# Altium PCB Stabilizer_Pounder.PcbDoc (part 2 of 2) (continued)
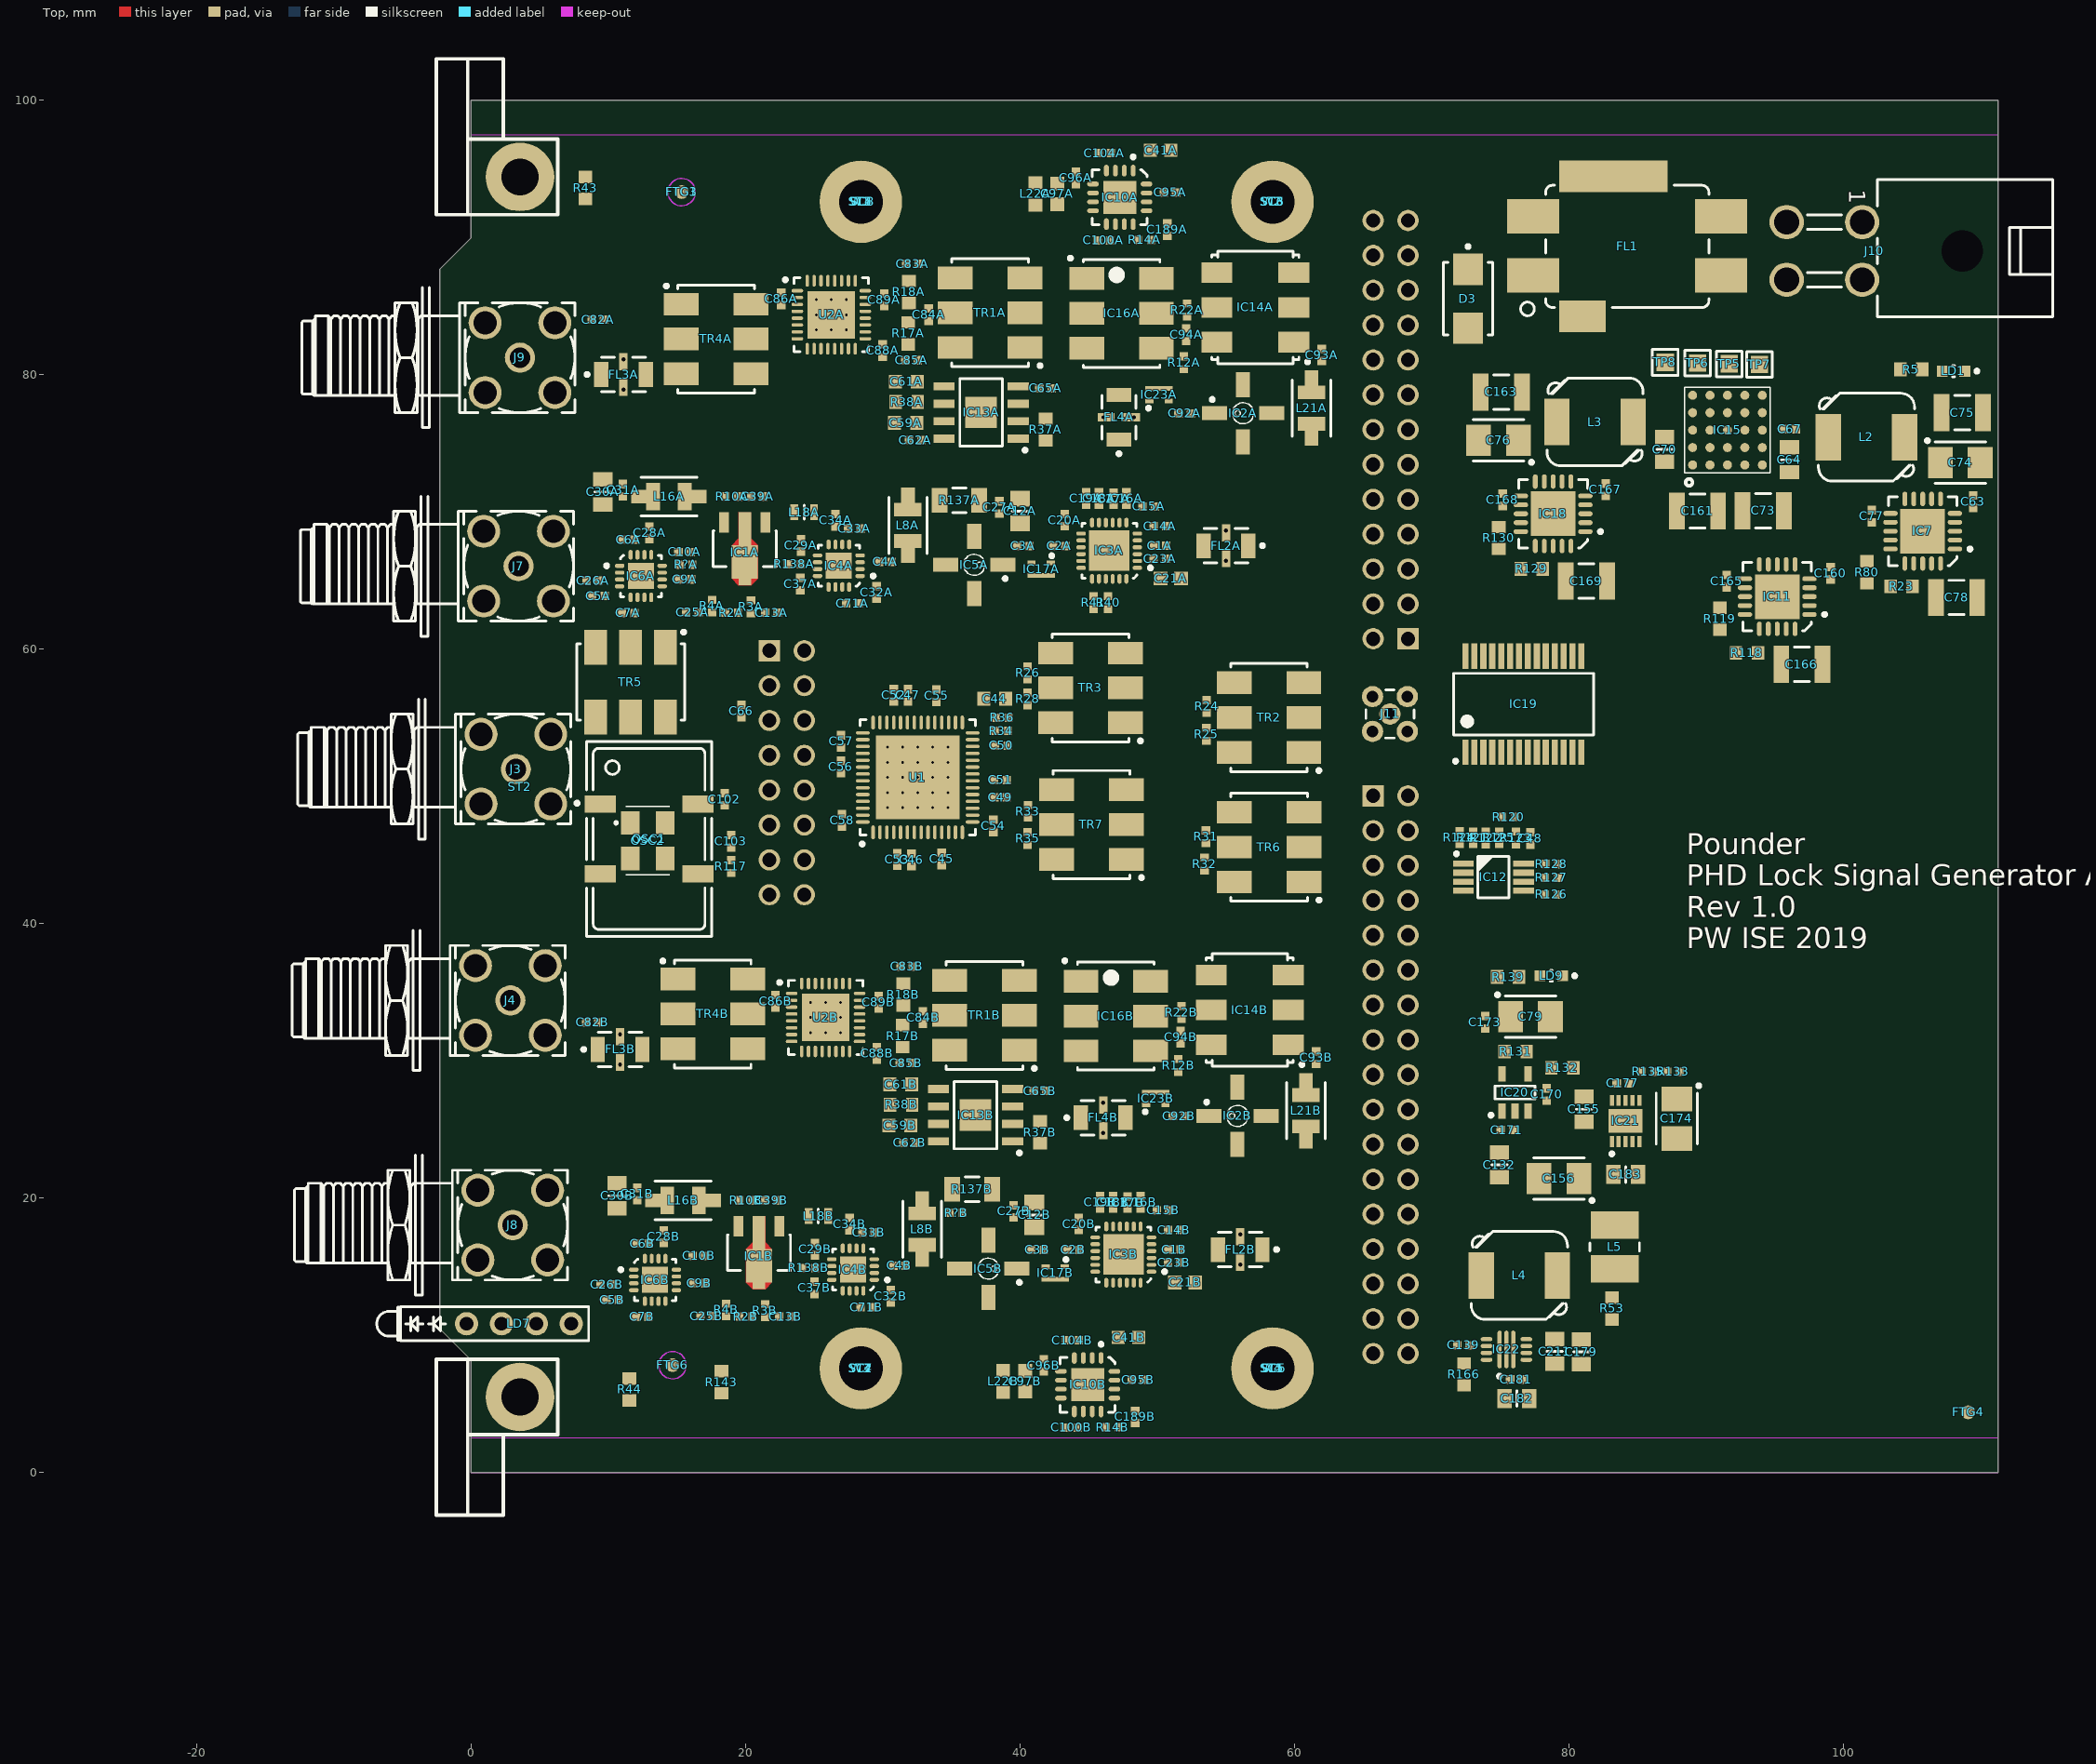
[diagram p0: Top view]
## Part data (continued)
R134 R166: library part R0603_47K_1%_0.1W_100PPM, "Resistor - 1%", Case=0603, Manufacturer=GENERIC, Manufacturer1 ComponentHeight=0.55mm, Manufacturer1 Example="NIC COMPONENT", Manufacturer1 Part Number=NRC06F4702TRF, Power=0.1W, Tolerance=±1%, Author="CERN DEM JLC", Component Type=Standard, CreateDate=03.12.2007, HelpURL=\\cern.ch\dfs\Applications\Altium\Datasheets\R0603_NIC_NRC.pdf, LatestRevisionDate=13.03.2008, Manufacturer Part Number=R0603_47K_1%_0.1W_100PPM, Mounted=Yes, Part Description="General Purpose Thick Film Chip Resistor", Part Number=R0603_47K_1%_0.1W_100PPM, Pin Count=2, Sense=No, SMD=Yes, Socket=No, Status=Preferred, TC=±100ppm/°C
R135: library part R0402_2K_1%_0.0625W_100PPM, "Resistor - 1%", Case=0402, Manufacturer=GENERIC, Manufacturer1 ComponentHeight=0.4mm, Manufacturer1 Example="YAGEO PHYCOMP", Manufacturer1 Part Number=232270672002L, Power=0.0625W, Tolerance=±1%, Author="CERN DEM JLC", Component Type=Standard, CreateDate=03.12.2007, HelpURL=\\cern.ch\dfs\Applications\Altium\Datasheets\R0402_Phycomp_RC0402.pdf, LatestRevisionDate=17.10.2012, Manufacturer Part Number=R0402_2K_1%_0.0625W_100PPM, Mounted=Yes, Part Description="General Purpose Thick Film Chip Resistor", Part Number=R0402_2K_1%_0.0625W_100PPM, Pin Count=2, PressFit=No, Sense=No, SMD=Yes, Socket=No, Status="Not Recommended", TC=±100ppm/°C
R136: library part R0603_5K6_1%_0.1W_100PPM, "Resistor - 1%", Case=0603, Manufacturer=GENERIC, Manufacturer1 ComponentHeight=0.55mm, Manufacturer1 Example="NIC COMPONENT", Manufacturer1 Part Number=NRC06F5601TRF, Power=0.1W, Tolerance=±1%, Author="CERN DEM JLC", Component Type=Standard, CreateDate=03.12.2007, HelpURL=\\cern.ch\dfs\Applications\Altium\Datasheets\R0603_NIC_NRC.pdf, LatestRevisionDate=13.03.2008, Manufacturer Part Number=R0603_5K6_1%_0.1W_100PPM, Mounted=Yes, Part Description="General Purpose Thick Film Chip Resistor", Part Number=R0603_5K6_1%_0.1W_100PPM, Pin Count=2, Sense=No, SMD=Yes, Socket=No, Status=Preferred, TC=±100ppm/°C
R137A R137B: library part "R1206_100R_1%_0.5W_100PPM_VISHAY_CRCW-HP e3", "Resistor - 1%", Case=1206, Manufacturer="VISHAY DRALORIC", Manufacturer Part Number=CRCW1206100RFKEAHP, Power=0.5W, Tolerance=±1%, Voltage=200V, Author="CERN DEM JLC", ComponentHeight=0.65mm, Component Type=Standard, CreateDate=19.11.2013, HelpURL="\\cern.ch\dfs\Applications\Altium\Datasheets\R1206_VISHAY_CRCW-HP e3.pdf", LatestRevisionDate=19.11.2013, Mounted=Yes, Part Description="Pulse Proof, High Power Thick Film Chip Resistor", Part Number="R1206_100R_1%_0.5W_100PPM_VISHAY_CRCW-HP e3", Pin Count=2, PressFit=No, Sense=No, SMD=Yes, Socket=No, Status=None, TC=±100ppm/°C
R164: library part R0603_NO-VALUE, "Resistor", Case=0603, Author="CERN DEM JLC", Component Type=Standard, CreateDate=03.12.2007, HelpURL=Undefined, LatestRevisionDate=13.03.2008, Manufacturer=Undefined, Manufacturer1 ComponentHeight=Undefined, Manufacturer1 Example=Undefined, Manufacturer1 Part Number=Undefined, Manufacturer Part Number=R0603_NO-VALUE, Mounted=No, Part Description="Reserved Footprint For a 0603 (1608) Chip Resistor", Part Number=R0603_NO-VALUE, Pin Count=2, PressFit=No, Sense=No, SMD=Yes, Socket=No, Status=None
R165 R167 R168: library part R0402_470R_1%_0.0625W_100PPM, "Resistor - 1%", Case=0402, Manufacturer=GENERIC, Manufacturer1 ComponentHeight=0.4mm, Manufacturer1 Example="YAGEO PHYCOMP", Manufacturer1 Part Number=232270674701L, Power=0.0625W, Tolerance=±1%, Author="CERN DEM JLC", Component Type=Standard, CreateDate=03.12.2007, HelpURL=\\cern.ch\dfs\Applications\Altium\Datasheets\R0402_Phycomp_RC0402.pdf, LatestRevisionDate=17.10.2012, Manufacturer Part Number=R0402_470R_1%_0.0625W_100PPM, Mounted=Yes, Part Description="General Purpose Thick Film Chip Resistor", Part Number=R0402_470R_1%_0.0625W_100PPM, Pin Count=2, PressFit=No, Sense=No, SMD=Yes, Socket=No, Status="Not Recommended", TC=±100ppm/°C
SC1 SC2 SC3 SC4 SC5 SC6 SC7 SC8: "M3 x 8mm cap head screw", Manufacturer="Accu Limited", Manufacturer Part Number=SSCF-M3-8-12.9-Z
ST1 ST3 ST4 ST5: library part STANDOFF_HARWIN_R30_1001802, "M3.0x18 standoff", Manufacturer=Harwin, Manufacturer Part Number=R30-1001802
ST2: "Schroff 3HP 4U EUROCARD Panel with EMI gaskets kit", Manufacturer=Schroff, Manufacturer Part Number=20848-664
T1: "P-CHANNEL MOSFET WITH DIODE", Case=SOT23-3, Manufacturer="ON SEMICONDUCTOR", Author="CERN DEM JLC", Bonding=No, ComponentHeight=1.1mm, Component Type=Standard, CreateDate=29.03.2012, Device=BSS84LT1G, HelpURL=\\cern.ch\dfs\Applications\Altium\Datasheets\BSS84LT1G.pdf, LatestRevisionDate=29.03.2012, Manufacturer Part Number=BSS84LT1G, Mounted=Yes, PackageDescription="SOT23 3-Leads, Pitch 0.95mm - Body 1.4x3mm, IPC Medium Density", Part Description="50V 130mA Single P-Channel Power MOSFET", Part Number=BSS84LT1G, Pin Count=3, PressFit=No, Sense=No, SMD=Yes, Socket=No
T2A T2B T3A T3B: "N-CHANNEL MOSFET WITH DIODE", Case=SOT23-3, Manufacturer="ON SEMICONDUCTOR", Author="CERN DEM JLC", Bonding=No, ComponentHeight=1.11mm, Component Type=Standard, CreateDate=23.03.2009, Device=BSS138LT1G, HelpURL=\\cern.ch\dfs\Applications\Altium\Datasheets\BSS138LT1G.pdf, LatestRevisionDate=23.03.2009, Manufacturer Part Number=BSS138LT1G, Mounted=Yes, PackageDescription="SOT23 3-Leads, Pitch 0.95mm - Body 1.4x3mm, IPC Medium Density", Part Description="50V 200mA N-Channel Enhancement Mode Field-Effect Transistor", Part Number=BSS138LT1G, Pin Count=3, PressFit=No, Sense=No, SMD=Yes, Socket=No
T10A T10B: "P-CHANNEL MOSFET WITH DIODE", Case=SOT23-3, Manufacturer="VISHAY SILICONIX", Author="CERN DEM JLC", Bonding=No, ComponentHeight=1.12mm, Component Type=Standard, CreateDate=02.05.2011, Device=Si2315BDS-T1-E3, HelpURL=\\cern.ch\dfs\Applications\Altium\Datasheets\Si2315BDS-T1-E3.pdf, LatestRevisionDate=02.05.2011, Manufacturer Part Number=Si2315BDS-T1-E3, Mounted=Yes, PackageDescription="SOT, 0.95mm, pitch; 3 pin,1.30mm W X 2.92mm L X 1.12mm H body, IPC Medium Density", Part Description="-12V -3A P-Channel STripFET® II Power MOSFET", Part Number=Si2315BDS-T1-E3, Pin Count=3, PressFit=No, Sense=No, SMD=Yes, Socket=No
TP5 TP6 TP7 TP8: library part SMD_PAD_1.27X1.27MM, Author="CERN DEM JLC", ComponentHeight=0mm, Component Type="Standard (No BOM)", CreateDate=12.01.2008, Family="Test Point", HelpURL=Undefined, LatestRevisionDate=12.01.2008, Mounted=No, PackageDescription="1.27mm x 1.27mm PCB Copper Area (SMD Test Point)", Part Description="1.27mm x 1.27mm PCB Copper Area (SMD Test Point)", Part Number=SMD_PAD_1.27X1.27MM, Pin Count=1, Sense=No, SMD=Yes, Socket=No, Status=None
TR1A TR1B TR5: library part XFMR_MINI-CIRCUITS_ADT2-1T-1P+, "50 Ohms 0.4 To 450MHz RF Transformer", Manufacturer=MINI-CIRCUITS, Manufacturer Part Number=ADT2-1T+, Part Number=XFMR_MINI-CIRCUITS_ADT2-1T+, Author="CERN DEM MR", ComponentHeight=2.84mm, Component Type=Standard, CreateDate=06.09.2017, HelpURL=\\cern.ch\dfs\Applications\Altium\Datasheets\XFMR_MINI-CIRCUITS_ADT2-1T-1P+.pdf, LatestRevisionDate=06.09.2017, Mounted=Yes, Part Description="50 Ohms 0.4 To 450MHz RF Transformer", Pin Count=6, Sense=No, SMD=Yes, Socket=No, Status=None
TR2 TR3 TR6 TR7: library part XFMR_MINI-CIRCUITS_ADT1-1WT+, "75 Ohm 0.4 To 800MHz RF Transformers", Manufacturer=MINI-CIRCUITS, Manufacturer Part Number=ADT1-1WT+, Author="CERN DEM JLC", ComponentHeight=2.84mm, Component Type=Standard, CreateDate=21.09.2011, HelpURL=\\cern.ch\dfs\Applications\Altium\Datasheets\XFMR_MINI-CIRCUITS_ADT1-1WT+.pdf, LatestRevisionDate=21.09.2011, Mounted=Yes, Part Description="75 Ohms 0.4 to 800 MHz RF Transformer", Part Number=XFMR_MINI-CIRCUITS_ADT1-1WT+, Pin Count=6, Sense=No, SMD=Yes, Socket=No, Status=None
TR4A TR4B: library part XFMR_MINI-CIRCUITS_ADT1-1+, "50 Ohm 0.15 To 400MHz RF Transformers", Manufacturer=MINI-CIRCUITS, Manufacturer Part Number=ADT1-1+, Author="CERN DEM JLC", ComponentHeight=2.84mm, Component Type=Standard, CreateDate=01.09.2011, HelpURL=\\cern.ch\dfs\Applications\Altium\Datasheets\XFMR_MINI-CIRCUITS_ADT1-1+.pdf, LatestRevisionDate=01.09.2011, Mounted=Yes, Part Description="50 Ohms 0.15 to 400 MHz RF Transformer", Part Number=XFMR_MINI-CIRCUITS_ADT1-1+, Pin Count=6, Sense=No, SMD=Yes, Socket=No, Status=None
U1: library part CMP-0293-00014-1, "4-Channel, 500 MSPS DDS with 10-Bit DACs, Serial, CP-56-1, 260 Tray, Pb-Free", Code_JEDEC=MO-220-VLLD-2, Compliance Range (V)=2.3V, ComponentLink1Description="Manufacturer URL", ComponentLink1URL=www.analog.com, ComponentLink2Description=Datasheet, ComponentLink2URL=http://www.analog.com/static/imported-files/data_sheets/AD9959.pdf, ComponentLink3Description="Package Specification", ComponentLink3URL=http://www.analog.com/static/imported-files/packages/32698137492825CP_56_1.pdf, DatasheetVersion="Rev. B", FS Iout (mA nom)=10mA, I/O Interface=Serial, I Supply total (max)=180mA, Master fclk=500MHz, PackageDescription="56-Lead Lead Frame Chip Scale Package [LFCSP_VQ]", PackageReference=CP-56-1, PackageVersion=112805-0, REFCLK Multiplier=Yes, Resolution (Bits)=10bit, Tuning Word Width (bits)=32bit
U2A U2B: library part CMP-0359-03989-2, "Single Channel, Broadband Ultra Low Distortion 7-Bit Digitally Controlled Variable Gain Amplifier, 1000 MHz Typical GBW, 4.75 to 5.25 V, 32-Pin QFN (UH-32), Industrial, Pb-Free", Linear Technology Part Number=LT5554, Manufacturer="Linear Technology", Channels (#)=1, Code_JEDEC=MO-220, ComponentLink1Description="Manufacturer URL", ComponentLink1URL=http://www.linear.com/, ComponentLink2Description=Datasheet, ComponentLink2URL=http://cds.linear.com/docs/en/datasheet/5554f.pdf, ComponentLink3Description="Package Specification", ComponentLink3URL=http://cds.linear.com/docs/en/packaging/QFN_32_05-08-1693.pdf, GBW (MHz) Typical=1000, Is (mA) Typical=200, Mounting Technology="Surface Mount", PackageDescription="32-Lead Plastic QFN, Body 5 x 5 mm, Pitch 0.5 mm", PackageReference=LT-UH-32, PackageVersion="Rev D", PartNumber=LT5554IUH#PBF, RevisionNote="URLs updated", RoHS=Pb-Free, Type=DIFF, Vs Max (V)=5.25, Vs Min (V)=4.75
W1 W2 W3 W4: "M3 Washer: / ID: 3.2mm / OD: 6mm / Thickness 0.8mm", Manufacturer="Accu Limited", Manufacturer Part Number=HAFZ-M3-A4

## Free pads (board coordinates)
  round 6 hole 3.2: 1(28.4,7.6) 1(28.4,92.6) 1(58.4,7.6) 1(58.4,92.6)

## Via types
v1: diameter 0.5, hole 0.2, Top to Bottom Layer, 43 vias
v2: diameter 0.6, hole 0.3, Top to Bottom Layer, 12 vias

## Nets (pads, with @x,y where several pads share a name; then routed paths per layer and width w, separated by ;. In a path a pad name is that pad's centre, name@x,y a point inside that pad or via, vN(x,y) a via of type N, cw(c..) or ccw(c..) an arc to the next point about the centre after c; other vN are vias at no path point)
ADC_0_P: C59B.1 IC13B.6 IC13B.7 J2.2
ADC_1_P: C59A.1 IC13A.6 IC13A.7 J2.5
ATT_RSTn: IC3A.20 IC3B.20 J5.2 R40.2
AVDD: C45.2 C46.2 C47.2 C49.2 C50.2 C51.2 C52.2 C53.2 C54.2 C55.2 L1.1 R24.2 R25.2 R26.2 R28.2 R31.2 R32.2 R33.2 R35.2 TR2.2 TR3.2 TR6.2 TR7.2 U1.5 U1.7 U1.11 U1.15 U1.19 U1.21 U1.26 U1.31 U1.33 U1.37 U1.39
CH0_OUT_N: R25.1 TR2.6 U1.29
CH0_OUT_P: R24.1 TR2.4 U1.30
CH1_OUT_N: R28.1 TR3.6 U1.35
CH1_OUT_P: R26.1 TR3.4 U1.36
CH2_OUT_N: R32.1 TR6.6 U1.9
CH2_OUT_P: R31.1 TR6.4 U1.8
CH3_OUT_N: R35.1 TR7.6 U1.14
CH3_OUT_P: R33.1 TR7.4 U1.13
CK_OSC: C103.1 IC24.6 R162.1
CLK_SMA_N: C194.2 IC24.4 R15.1
CLK_SMA_P: C105.2 IC24.3 R15.2
CSn: U1.47
DAC_0_N: J2.9
DAC_0_P: J2.8
DAC_1_N: J2.12
DAC_1_P: J2.11
DAC_O1_OUT1: J1.19
DAC_O1_OUT2: J1.22
DDS_P0: U1.40
DDS_P1: U1.41
DDS_P2: U1.42
DDS_P3: U1.43
DDS_Reset: U1.3
EXT_CLK_SEL: R165.1
FP_GND: R43.2 R44.2 ST2.0 ST2.1
GND: C5A.2 C5B.2 C6A.2 C6B.2 C7A.2 C7B.2 C8A.1 C8B.1 C9A.1 C9B.1 C10A.2 C10B.2 C11A.1 C11B.1 C12A.1 C12B.1 C14A.1 C14B.1 C15A.1 C15B.1 C16A.1 C16B.1 C17A.1 C17B.1 C18A.1 C18B.1 C19A.1 C19B.1 C20A.1 C20B.1 C21A.1 C21B.1 C23A.1 C23B.1 C27A.1 C27B.1 C29A.1 C29B.1 C30A.1 C30B.1 C31A.1 C31B.1 C32A.2 C32B.2 C33A.2 C33B.2 C37A.2 C37B.2 C38A.1 C38B.1 C40A.1 C40B.1 C44.2 C45.1 C46.1 C47.1 C48.1 C49.1 C50.1 C51.1 C52.1 C53.1 C54.1 C55.1 C56.1 C57.1 C58.1 C60A.1 C60B.1 C61A.1 C61B.1 C62A.1 C62B.1 C63.2 C64.1 C65A.1 C65B.1 C67.1 C70.1 C71A.2 C71B.2 C72A.1 C72B.1 C73.1 C74.2 C75.1 C76.2 C77.1 C78.1 C79.2 C80A.1 C80B.1 C81A.1 C81B.1 C83A.1 C83B.1 C84A.1 C84B.1 C85A.1 C85B.1 C86A.1 C86B.1 C87A.1 C87B.1 C88A.1 C88B.1 C89A.1 C89B.1 C90A.1 C90B.1 C91A.1 C91B.1 C94A.1 C94B.1 C95A.2 C95B.2 C96A.1 C96B.1 C97A.1 C97B.1 C98A.1 C98B.1 C99A.1 C99B.1 C100A.1 C100B.1 C101.1 C102.1 C104A.1 C104B.1 C122.2 C123.1 C131.1 C132.1 C139.2 C145.1 C155.1 C156.2 C160.2 C161.1 C163.1 C165.1 C166.1 C167.2 C168.1 C169.1 C171.1 C173.1 C174.2 C177.1 C178.1 C179.1 C181.1 C182.1 C183.1 C211.1 FL2A.2 FL2A.4 FL2B.2 FL2B.4 FL4A.2 FL4A.4 FL4B.2 FL4B.4 IC1A.2 IC1A.4 IC1B.2 IC1B.4 IC2A.2 IC2A.4 IC2B.2 IC2B.4 IC3A.1 IC3A.3 IC3A.5 IC3A.12 IC3A.14 IC3A.16 IC3A.17 IC3A.18 IC3A.23 IC3A.25 IC3B.1 IC3B.3 IC3B.5 IC3B.12 IC3B.14 IC3B.16 IC3B.17 IC3B.18 IC3B.23 IC3B.25 IC4A.6 IC4A.8 IC4A.9 IC4A.13 IC4A.15 IC4B.6 IC4B.8 IC4B.9 IC4B.13 IC4B.15 IC5A.2 IC5A.4 IC5B.2 IC5B.4 IC6A.6 IC6A.8 IC6A.9 IC6A.13 IC6A.15 IC6B.6 IC6B.8 IC6B.9 IC6B.13 IC6B.15 IC7.12 IC7.21 IC9A.3 IC9B.3 IC10A.4 IC10A.9 IC10A.17 IC10B.4 IC10B.9 IC10B.17 IC11.12 IC11.21 IC12.4 IC13A.9 IC13B.9 IC14A.1 IC14A.4 IC14A.5 IC14B.1 IC14B.4 IC14B.5 IC15.B5 IC15.C1 IC15.C2 IC15.C5 IC15.D5 IC16A.2 IC16A.5 IC16B.2 IC16B.5 IC17A.3 IC17B.3 IC18.12 IC18.21 IC19.10 IC20.2 IC21.5 IC21.8 IC21.11 IC22.3 IC22.4 IC22.11 IC23A.3 IC23B.3 IC24.1 IC24.17 J1.2 J1.3 J1.4 J1.5 J1.6 J1.8 J1.9 J1.11 J1.12 J1.14 J1.15 J1.16 J1.17 J1.18 J1.20 J1.21 J1.23 J1.24 J2.1 J2.3 J2.4 J2.6 J2.7 J2.10 J2.13 J5.1 J5.4 J5.7 J5.10 J5.13 J5.16 J5.19 J5.22 J5.25 J5.30 J7.2 J8.2 J11.2 LD1.1 LD7.1 LD9.1 OSC1.2 OSC2.2 R1A.1 R1B.1 R3A.1 R3B.1 R4A.1 R4B.1 R12A.1 R12B.1 R14A.1 R14B.1 R30.2 R39A.1 R39B.1 R40.1 R43.1 R44.1 R46.1 R47.1 R48.1 R55.2 R80.1 R82.2 R87.2 R119.1 R126.1 R127.1 R128.1 R130.1 R132.1 R135.1 R136.1 R138A.1 R138B.1 R168.1 R?A.1 R?B.1 T2A.2 T2B.2 T3A.2 T3B.2 TR1A.3 TR1B.3 TR2.3 TR3.3 TR6.3 TR7.3 U1.4 U1.6 U1.10 U1.12 U1.16 U1.18 U1.20 U1.24 U1.25 U1.28 U1.32 U1.34 U1.38 U1.44 U1.56 U1.57 U2A.1 U2A.2 U2A.7 U2A.8 U2A.10 U2A.13 U2A.15 U2A.16 U2A.19 U2A.22 U2A.25 U2A.26 U2A.28 U2A.31 U2A.33 U2B.1 U2B.2 U2B.7 U2B.8 U2B.10 U2B.13 U2B.15 U2B.16 U2B.19 U2B.22 U2B.25 U2B.26 U2B.28 U2B.31 U2B.33
  other v1: 30.34,48.46 31.44,48.46 32.54,48.46 33.64,48.46 34.74,48.46 30.34,49.56 31.44,49.56 32.54,49.56 33.64,49.56 34.74,49.56 30.34,50.66 31.44,50.66 32.54,50.66 33.64,50.66 34.74,50.66 30.34,51.76 31.44,51.76 32.54,51.76 33.64,51.76 34.74,51.76 30.34,52.86 31.44,52.86 32.54,52.86 33.64,52.86 34.74,52.86 25.14,83.27 26.24,83.27 27.34,83.27 25.14,84.37 26.24,84.37 27.34,84.37 25.14,85.47 26.24,85.47 27.34,85.47
  other v2: 56.038,15.153 56.038,17.363 46.095,76.9 48.305,76.9
GND1: D3.2 FL1.4
HRTIM_CHA1: J5.9
HRTIM_CHA2: J5.11
HRTIM_CHE1: J5.6
HRTIM_CHE2: J5.8
I2C1_SCL: IC19.12 J5.27 R42.2 R125.1
I2C1_SDA: IC19.13 J5.26 R45.2 R124.1
IO_Update: U1.46
JADC1_IN2_P: IC10B.6 IC10B.7 J1.1
JADC2_IN2_P: IC10A.6 IC10A.7 J1.13
JADC3_IN5_N: J1.10
JADC3_IN5_P: J1.7
LPTIM1_OUT: J5.5
LPTIM2_OUT: J5.14
LPUART1_TX: J5.15
LT_VCCA: C87A.2 C88A.2 C89A.2 L20A.2 U2A.17 U2A.18 U2A.23 U2A.24
LT_VCCB: C87B.2 C88B.2 C89B.2 L20B.2 U2B.17 U2B.18 U2B.23 U2B.24
N12V0AA: C65A.2 IC13A.4 L24A.1
N12V0AB: C65B.2 IC13B.4 L24B.1
N12V0AS: J1.26 J2.16 L24A.2 L24B.2
NetC1A_1: C1A.1 FL2A.3
NetC1A_2: C1A.2 IC3A.4
NetC1B_1: C1B.1 FL2B.3
NetC1B_2: C1B.2 IC3B.4
NetC2A_1: C2A.1 IC3A.15
NetC2A_2: C2A.2 IC17A.1
NetC2B_1: C2B.1 IC3B.15
NetC2B_2: C2B.2 IC17B.1
NetC3A_1: C3A.1 IC17A.2
NetC3A_2: C3A.2 IC5A.1
NetC3B_1: C3B.1 IC17B.2
NetC3B_2: C3B.2 IC5B.1
NetC4A_1: C4A.1 IC5A.3 L8A.1
NetC4A_2: C4A.2 IC4A.3
NetC4B_1: C4B.1 IC5B.3 L8B.1
NetC4B_2: C4B.2 IC4B.3
NetC5A_1: C5A.1 C6A.1 C7A.1 C8A.2 IC6A.1 IC6A.2 IC6A.4 IC6A.5 IC6A.16 IC6A.17 L12A.2
NetC5B_1: C5B.1 C6B.1 C7B.1 C8B.2 IC6B.1 IC6B.2 IC6B.4 IC6B.5 IC6B.16 IC6B.17 L12B.2
NetC10A_1: C10A.1 C11A.2 IC6A.12 L13A.1
NetC10B_1: C10B.1 C11B.2 IC6B.12 L13B.1
NetC13A_1: C13A.1 IC4A.14
NetC13A_2: C13A.2 R2A.1 R3A.2
NetC13B_1: C13B.1 IC4B.14
NetC13B_2: C13B.2 R2B.1 R3B.2
NetC14A_2: C14A.2 IC3A.6
NetC14B_2: C14B.2 IC3B.6
NetC15A_2: C15A.2 IC3A.7
NetC15B_2: C15B.2 IC3B.7
NetC16A_2: C16A.2 IC3A.8
NetC16B_2: C16B.2 IC3B.8
NetC17A_2: C17A.2 IC3A.9
NetC17B_2: C17B.2 IC3B.9
NetC18A_2: C18A.2 IC3A.10
NetC18B_2: C18B.2 IC3B.10
NetC19A_2: C19A.2 IC3A.11
NetC19B_2: C19B.2 IC3B.11
NetC20A_2: C20A.2 IC3A.13
NetC20B_2: C20B.2 IC3B.13
NetC21A_2: C21A.2 C23A.2 IC3A.2 L11A.2
NetC21B_2: C21B.2 C23B.2 IC3B.2 L11B.2
NetC25A_1: C25A.1 R2A.2 R4A.2
NetC25A_2: C25A.2 IC6A.7
NetC25B_1: C25B.1 R2B.2 R4B.2
NetC25B_2: C25B.2 IC6B.7
NetC26A_1: C26A.1 IC6A.3
NetC26A_2: C26A.2 J7.1
NetC26B_1: C26B.1 IC6B.3
NetC26B_2: C26B.2 J8.1
NetC28A_1: C28A.1 IC1A.3 L16A.1 R10A.2
NetC28A_2: C28A.2 IC6A.14
NetC28B_1: C28B.1 IC1B.3 L16B.1 R10B.2
NetC28B_2: C28B.2 IC6B.14
NetC30A_2: C30A.2 C31A.2 L14A.2 L16A.2
NetC30B_2: C30B.2 C31B.2 L14B.2 L16B.2
NetC32A_1: C32A.1 C33A.1 C71A.1 C72A.2 IC4A.1 IC4A.2 IC4A.4 IC4A.5 IC4A.16 IC4A.17 L15A.2
NetC32B_1: C32B.1 C33B.1 C71B.1 C72B.2 IC4B.1 IC4B.2 IC4B.4 IC4B.5 IC4B.16 IC4B.17 L15B.2
NetC34A_1: C34A.1 IC4A.7
NetC34A_2: C34A.2 L18A.1
NetC34B_1: C34B.1 IC4B.7
NetC34B_2: C34B.2 L18B.1
NetC37A_1: C37A.1 C38A.2 IC4A.12 L17A.1
NetC37B_1: C37B.1 C38B.2 IC4B.12 L17B.1
NetC39A_1: C39A.1 IC1A.1 L18A.2
NetC39A_2: C39A.2 R10A.1
NetC39B_1: C39B.1 IC1B.1 L18B.2
NetC39B_2: C39B.2 R10B.1
NetC41A_1: C41A.1 C97A.2 C98A.2 C99A.2 C100A.2 C104A.2 IC10A.3 IC10A.10 L22A.2
NetC41A_2: C41A.2 IC10A.2
NetC41B_1: C41B.1 C97B.2 C98B.2 C99B.2 C100B.2 C104B.2 IC10B.3 IC10B.10 L22B.2
NetC41B_2: C41B.2 IC10B.2
NetC42_1: C42.1 U1.23
NetC43_1: C43.1 U1.22
NetC44_1: C44.1 R36.2
NetC56_2: C56.2 L6.1 U1.49
NetC57_2: C57.2 C58.2 L7.1 U1.45 U1.55
NetC59A_2: C59A.2 R37A.2 R38A.1
NetC59B_2: C59B.2 R37B.2 R38B.1
NetC60A_2: C60A.2 IC13A.3 R21A.2
NetC60B_2: C60B.2 IC13B.3 R21B.2
NetC61A_2: C61A.2 IC13A.5 R38A.2
NetC61B_2: C61B.2 IC13B.5 R38B.2
NetC66_1: C66.1 J11.1
NetC66_2: C66.2 IC24.11
NetC67_2: C67.2 IC15.A3 IC15.E3
NetC73_2: C73.2 IC15.D1 IC15.E1 L2.1
NetC81A_2: C81A.2 C83A.2 C84A.2 C85A.2 L19A.1 R17A.2 R18A.1 TR1A.5
NetC81B_2: C81B.2 C83B.2 C84B.2 C85B.2 L19B.1 R17B.2 R18B.1 TR1B.5
NetC82A_1: C82A.1 J9.1
NetC82A_2: C82A.2 FL3A.1
NetC82B_1: C82B.1 J4.1
NetC82B_2: C82B.2 FL3B.1
NetC86A_2: C86A.2 U2A.3 U2A.6
NetC86B_2: C86B.2 U2B.3 U2B.6
NetC92A_1: C92A.1 IC23A.2
NetC92A_2: C92A.2 IC2A.1
NetC92B_1: C92B.1 IC23B.2
NetC92B_2: C92B.2 IC2B.1
NetC93A_1: C93A.1 IC2A.3 L21A.1
NetC93A_2: C93A.2 IC14A.6
NetC93B_1: C93B.1 IC2B.3 L21B.1
NetC93B_2: C93B.2 IC14B.6
NetC94A_2: C94A.2 R22A.1
NetC94B_2: C94B.2 R22B.1
NetC95A_1: C95A.1 IC10A.15
NetC95B_1: C95B.1 IC10B.15
NetC96A_2: C96A.2 IC10A.5
NetC96B_2: C96B.2 IC10B.5
NetC101_2: C101.2 C102.2 L9.1 OSC1.4 OSC2.1 OSC2.4 R167.2
NetC103_2: C103.2 R117.1
NetC105_1: C105.1 TR5.1
NetC122_1: C122.1 IC24.7 R162.2
NetC123_2: C123.2 C131.2 IC24.5 L10.1 R164.2
NetC139_1: C139.1 IC22.9
NetC145_2: C145.2 OSC1.1 R167.1 R168.2
NetC161_2: C161.2 IC15.A1 IC15.B1 L3.1
NetC170_1: C170.1 IC20.3
NetC174_1: C174.1 IC21.7 R133.2
NetC189A_1: C189A.1 IC10A.14
NetC189A_2: C189A.2 IC16A.3
NetC189B_1: C189B.1 IC10B.14
NetC189B_2: C189B.2 IC16B.3
NetC194_1: C194.1 TR5.3
NetFL1_1: FL1.1 J10.3 J10.4
NetFL1_3: FL1.3 J10.1 J10.2
NetFL2A_1: FL2A.1 TR3.1
NetFL2B_1: FL2B.1 TR2.1
NetFL3A_2: FL3A.2 FL3A.4 J9.2 TR4A.1
  other v2: 11.1,78.913 11.1,81.123
NetFL3A_3: FL3A.3 TR4A.3
NetFL3B_2: FL3B.2 FL3B.4 J4.2 TR4B.1
NetFL3B_3: FL3B.3 TR4B.3
NetFL4A_1: FL4A.1 TR7.1
NetFL4A_3: FL4A.3 IC23A.1
NetFL4B_1: FL4B.1 TR6.1
NetFL4B_3: FL4B.3 IC23B.1
NetIC3A_19: IC3A.19 R41.2
NetIC3A_24: IC3A.24 IC3B.19
NetIC4A_11: IC4A.11 R138A.2
NetIC4B_11: IC4B.11 R138B.2
NetIC6A_11: IC6A.11 R?A.2
NetIC6B_11: IC6B.11 R?B.2
NetIC7_16: IC7.16 R23.1 R80.2
NetIC8A_2: IC8A.2 R6A.1 R9A.2
NetIC8B_2: IC8B.2 R6B.1 R9B.2
NetIC10A_11: IC10A.11 R13A.2
NetIC10A_12: IC10A.12 R8A.1 R14A.2
NetIC10B_11: IC10B.11 R13B.2
NetIC10B_12: IC10B.12 R8B.1 R14B.2
NetIC11_16: IC11.16 R118.1 R119.2
NetIC12_1: IC12.1 R121.1 R124.2
NetIC12_2: IC12.2 R122.1 R125.2
NetIC12_3: IC12.3 LD7.3 R123.1
NetIC12_5: IC12.5 R126.2
NetIC12_6: IC12.6 R127.2
NetIC12_7: IC12.7 R128.2
NetIC13A_1: IC13A.1 IC13A.2 R37A.1
NetIC13B_1: IC13B.1 IC13B.2 R37B.1
NetIC14A_2: IC14A.2 R21A.1 R22A.2 R39A.2
NetIC14A_3: IC14A.3 IC16A.6
NetIC14B_2: IC14B.2 R21B.1 R22B.2 R39B.2
NetIC14B_3: IC14B.3 IC16B.6
NetIC15_A4: IC15.A4 R84.1
NetIC15_A5: IC15.A5 TP8.1
NetIC15_B2: IC15.B2 IC15.D2 R120.2 R123.2
NetIC15_C3: IC15.C3 TP5.1
NetIC15_C4: IC15.C4 TP6.1
NetIC15_E4: IC15.E4 R55.1 R82.1
NetIC15_E5: IC15.E5 TP7.1
NetIC16A_1: IC16A.1 TR1A.1
NetIC16A_4: IC16A.4 R12A.2
NetIC16B_1: IC16B.1 TR1B.1
NetIC16B_4: IC16B.4 R12B.2
NetIC18_16: IC18.16 R129.1 R130.2
NetIC19_15: IC19.15 R48.2
NetIC19_16: IC19.16 R47.2
NetIC19_17: IC19.17 R46.2
NetIC20_4: IC20.4 R131.1 R132.2
NetIC22_2: IC22.2 L4.1
NetIC22_5: IC22.5 R134.1 R136.2
NetIC22_10: IC22.10 R166.1
NetIC24_2: IC24.2 R165.2
NetJ3_1: J3.1 TR5.6
NetJ3_2: J3.2 TR5.4
NetL8A_2: L8A.2 R137A.2
NetL8B_2: L8B.2 R137B.2
NetL9_2: L9.2 T1.3
NetL14A_1: L14A.1 T10A.3
NetL14B_1: L14B.1 T10B.3
NetL21A_2: L21A.2 R19A.2
NetL21B_2: L21B.2 R19B.2
NetLD1_2: LD1.2 R5.1
NetLD7_4: LD7.4 R143.1
NetLD9_2: LD9.2 R139.1
NetOSC1_3: OSC1.3 OSC2.3 R117.2
NetR1A_2: R1A.2 T2A.1
NetR1B_2: R1B.2 T2B.1
NetR8A_2: R8A.2 R13A.1
NetR8B_2: R8B.2 R13B.1
NetR11A_2: R11A.2 T3A.3
NetR11B_2: R11B.2 T3B.3
NetR20A_1: R20A.1 T2A.3 T10A.1
NetR20B_1: R20B.1 T2B.3 T10B.1
NetR29_1: R29.1 U1.17
NetR29_2: R29.2 R30.1
NetR34_1: R34.1 R36.1
NetR34_2: R34.2 U1.27
NetR84_2: R84.2 R87.1
NetR133_1: R133.1 R135.2
OSC_ENn: T1.1
P1V8A: C169.2 IC18.1 IC18.18 IC18.19 IC18.20 L1.2 L7.2 R129.2 R164.1
P2V1: C76.1 C163.2 C167.1 IC18.5 IC18.6 IC18.7 IC18.8 L3.2
P2V5A: C35A.1 C35B.1 C36A.1 C36B.1 C40A.2 C40B.2 C80A.2 C80B.2 IC8A.3 IC8B.3 IC9A.1 IC9A.2 IC9B.1 IC9B.2 L12A.1 L12B.1 L15A.1 L15B.1 R9A.1 R9B.1
P3V3: C166.2 IC11.1 IC11.18 IC11.19 IC11.20 IC19.9 IC19.18 R42.1 R45.1 R118.2
P3V3_MP: C48.2 IC12.8 R120.1 R121.2 R122.2 R143.2
P3V3A: C78.2 IC7.1 IC7.18 IC7.19 IC7.20 L6.2 L10.2 R23.2 T1.2
P3V3s: J5.34
P3V6: C63.1 C74.1 C75.2 C160.1 IC7.5 IC7.6 IC7.7 IC7.8 IC11.5 IC11.6 IC11.7 IC11.8 L2.2 R5.2
P5V0A: C77.2 C79.1 C165.2 C168.2 C170.2 C173.2 IC7.10 IC7.11 IC11.10 IC11.11 IC18.10 IC18.11 IC20.5 L11A.1 L11B.1 L19A.2 L19B.2 L20A.1 L20B.1 L22A.1 L22B.1 R20A.2 R20B.2 R131.2 R139.2 T10A.2 T10B.2
P5V8A: C35A.2 C35B.2 C36A.2 C36B.2 IC8A.1 IC8B.1 L13A.2 L13B.2 L17A.2 L17B.2 R6A.2 R6B.2 R7A.2 R7B.2 R16A.2 R16B.2
P7V0A: C12A.2 C12B.2 C27A.2 C27B.2 C90A.2 C90B.2 C91A.2 C91B.2 C155.2 C177.2 IC21.9 IC21.10 R16A.1 R16B.1 R19A.1 R19B.1 R137A.1 R137B.1
P7V5: C178.2 C179.2 C211.2 IC22.6 L4.2 L5.1 R53.2 R134.2
P7V5A: C132.2 C156.1 C171.2 C183.2 IC20.1 IC21.1 IC21.2 IC21.3 IC21.6 L5.2
P12V0: C64.2 C70.2 C181.2 C182.2 IC15.A2 IC15.B3 IC15.D3 IC15.E2 IC22.1 IC22.8 J5.31 J5.32 J5.33 R166.2
P12V0AA: C62A.2 IC13A.8 L23A.2
P12V0AB: C62B.2 IC13B.8 L23B.2
P12V0AS: J1.25 J2.15 L23A.1 L23B.1
P12V0S: D3.1 FL1.2
PC1: J5.12
PC2_ADC3_IN1_N: J5.29
PC3_ADC3_IN1_P: J5.28
PC8: J5.17
PGA0_PG0: IC19.28 U2A.12
PGA0_PG1: IC19.27 U2A.32
PGA0_PG2: IC19.26 U2A.30
PGA0_PG3: IC19.25 U2A.29
PGA0_PG4: IC19.24 U2A.27
PGA0_PG5: IC19.23 U2A.9
PGA0_PG6: IC19.22 U2A.11
PGA0_STROBE: IC19.21 U2A.14
PGA1_PG0: IC19.8 U2B.12
PGA1_PG1: IC19.7 U2B.32
PGA1_PG2: IC19.6 U2B.30
PGA1_PG3: IC19.5 U2B.29
PGA1_PG4: IC19.4 U2B.27
PGA1_PG5: IC19.3 U2B.9
PGA1_PG6: IC19.2 U2B.11
PGA1_STROBE: IC19.1 U2B.14
PGA_INA_N: TR4A.4 U2A.5
PGA_INA_P: TR4A.6 U2A.4
PGA_INB_N: TR4B.4 U2B.5
PGA_INB_P: TR4B.6 U2B.4
PGA_OUTA_N: R18A.2 TR1A.4 U2A.21
PGA_OUTA_P: R17A.1 TR1A.6 U2A.20
PGA_OUTB_N: R18B.2 TR1B.4 U2B.21
PGA_OUTB_P: R17B.1 TR1B.6 U2B.20
PGOOD: IC7.9 IC11.9 IC15.B4 IC15.D4 IC18.9 IC22.7 LD7.2 R53.1
REFCLK_N: C43.2 IC24.10 R27.2
REFCLK_P: C42.2 IC24.9 R27.1
RFSW_CTRL0: T3B.1
RFSW_CTRL1: T3A.1
RFSW_CTRLA: C9A.2 C29A.2 IC4A.10 IC6A.10 R7A.1 R11A.1
RFSW_CTRLB: C9B.2 C29B.2 IC4B.10 IC6B.10 R7B.1 R11B.1
SCLK: U1.48
SDIO_0: U1.50
SDIO_1: U1.51
SDIO_2: U1.52
SDIO_3: U1.53
SPI1_MISO: J5.21 R41.1
SPI1_MOSI: IC3B.24 J5.20
SPI1_NSS: IC3A.22 IC3B.22 J5.23
SPI1_SCK: IC3A.21 IC3B.21 J5.24
SYNC_IN: U1.1
UART4_RX: J5.18
UART4_TX: J5.3
pads on no net: FTG1.FTG2 FTG2.FTG2 FTG3.FTG2 FTG4.FTG2 FTG5.FTG2 FTG6.FTG2 IC7.2 IC7.3 IC7.4 IC7.13 IC7.14 IC7.15 IC7.17 IC10A.1 IC10A.8 IC10A.13 IC10A.16 IC10B.1 IC10B.8 IC10B.13 IC10B.16 IC11.2 IC11.3 IC11.4 IC11.13 IC11.14 IC11.15 IC11.17 IC18.2 IC18.3 IC18.4 IC18.13 IC18.14 IC18.15 IC18.17 IC19.11 IC19.14 IC19.19 IC19.20 IC21.4 IC24.8 IC24.12 IC24.13 IC24.14 IC24.15 IC24.16 J2.14 J10.5 TR1A.2 TR1B.2 TR2.5 TR3.5 TR4A.2 TR4A.5 TR4B.2 TR4B.5 TR5.2 TR5.5 TR6.5 TR7.5 U1.2 U1.54
copper on no net:
  other v1: 24.73,32.07 25.83,32.07 26.93,32.07 24.73,33.17 25.83,33.17 26.93,33.17 24.73,34.27 25.83,34.27 26.93,34.27
  other v2: 46.05,24.755 46.05,26.965 10.85,29.733 10.85,31.943 55.005,66.438 55.005,68.648

## Polygon pours and split planes (outlines as drawn)
no net on Top "Top-No Net" (solid, remove dead copper, pour order 18): -10.775,91.175
no net on Top "Top-No Net 2" (solid, remove dead copper, pour order 14): -9.875,91.275
no net on Top "Top-No Net 1" (solid, remove dead copper, pour order 2): -20.275,91.175
no net on L2 "L2-No Net" (solid, remove dead copper, pour order 22): -10.275,91.175
GND on L2 "L2-COIL_COMMON 2" (solid, remove dead copper, pour order 10): 103.425,8.975
GND on L2 "L2-COIL_COMMON 3" (solid, remove dead copper, pour order 8): 60.825,-10.925
no net on L3 "L3-No Net 4" (solid, remove dead copper, pour order 126): 7.925,67.375
no net on L3 "L3-No Net 5" (solid, remove dead copper, pour order 122): 8.05,67.725
no net on L3 "L3-No Net 2" (solid, remove dead copper, pour order 118): 39.85,-18.725
no net on L3 "L3-No Net" (solid, remove dead copper, pour order 52): -16.325,44.054
no net on L3 "L3-No Net 1" (solid, remove dead copper, pour order 32): 49.225,-3.075
GND on Bottom Layer "Bottom-GND" (solid, remove dead copper, pour order 154): -12.575,-12.625
no net on Bottom Layer "Bottom Layer-No Net 2" (solid, remove dead copper, pour order 0): 58.1,14.7
no net on Bottom Layer "Bottom Layer-No Net" (solid, remove dead copper, pour order 132): 55.35,6.461

## Keep-outs
Top:
  region: 111.25,0 111.25,2.5 0,2.5 0,0
  region: 0,100 0,97.5 111.25,97.5 111.25,100
Bottom Layer:
  region: 0,97.5 0,100 111.25,100 111.25,97.5
  region: 0,0 0,2.5 111.25,2.5 111.25,0

## Other copper
Top:
  pour cut-out: -24.075,85.95
  pour cut-out: 4.4,65.5
L2:
  pour cut-out: -28.55,21.95
Bottom Layer:
  pour cut-out: 14.12,-17.02

## Silkscreen, mask and mechanical layers (free items; w line width, h text height)
Top Overlay:
  text "Pounder / PHD Lock Signal Generator AFE / Rev 1.0 / PW ISE 2019" at 88.56,38.21 h1.52
Mechanical 1:
  the board outline again, w0.1

## Text inside footprints (layer, text, board x,y; h text height)
FL2A: Drill Drawing "Filled and" at 57.405,67.343 h0.5 r180; Drill Drawing "capped via" at 57.455,68.093 h0.5 r180
FL2B: Drill Drawing "Filled and" at 58.438,16.058 h0.5 r180; Drill Drawing "capped via" at 58.488,16.808 h0.5 r180
FL3A: Drill Drawing "Filled and" at 8.7,80.218 h0.5; Drill Drawing "capped via" at 8.65,79.468 h0.5
FL3B: Drill Drawing "Filled and" at 8.45,31.038 h0.5; Drill Drawing "capped via" at 8.4,30.288 h0.5
FL4A: Drill Drawing "Filled and" at 47,74.5 h0.5 r90; Drill Drawing "capped via" at 47.75,74.45 h0.5 r90
FL4B: Drill Drawing "Filled and" at 43.65,26.06 h0.5; Drill Drawing "capped via" at 43.6,25.31 h0.5
J10: Top Overlay "1" at 100.41,93.495 h1.2 r270; Mechanical 14 "1" at 100.41,93.495 h1.2 r270